# Altium PCB Main .PcbDoc (part 2 of 2)
Units mm, origin at the board's own origin, x right, y up, seen from the top; angles counter-clockwise.
Board outline 305 x 130 mm, 2 copper layers (Top Layer, Bottom Layer), stack 1.572 mm thick; 223 components, 123 nets, 632 pads, 180 vias.
Unrouted connection lines stored in the file: 1.
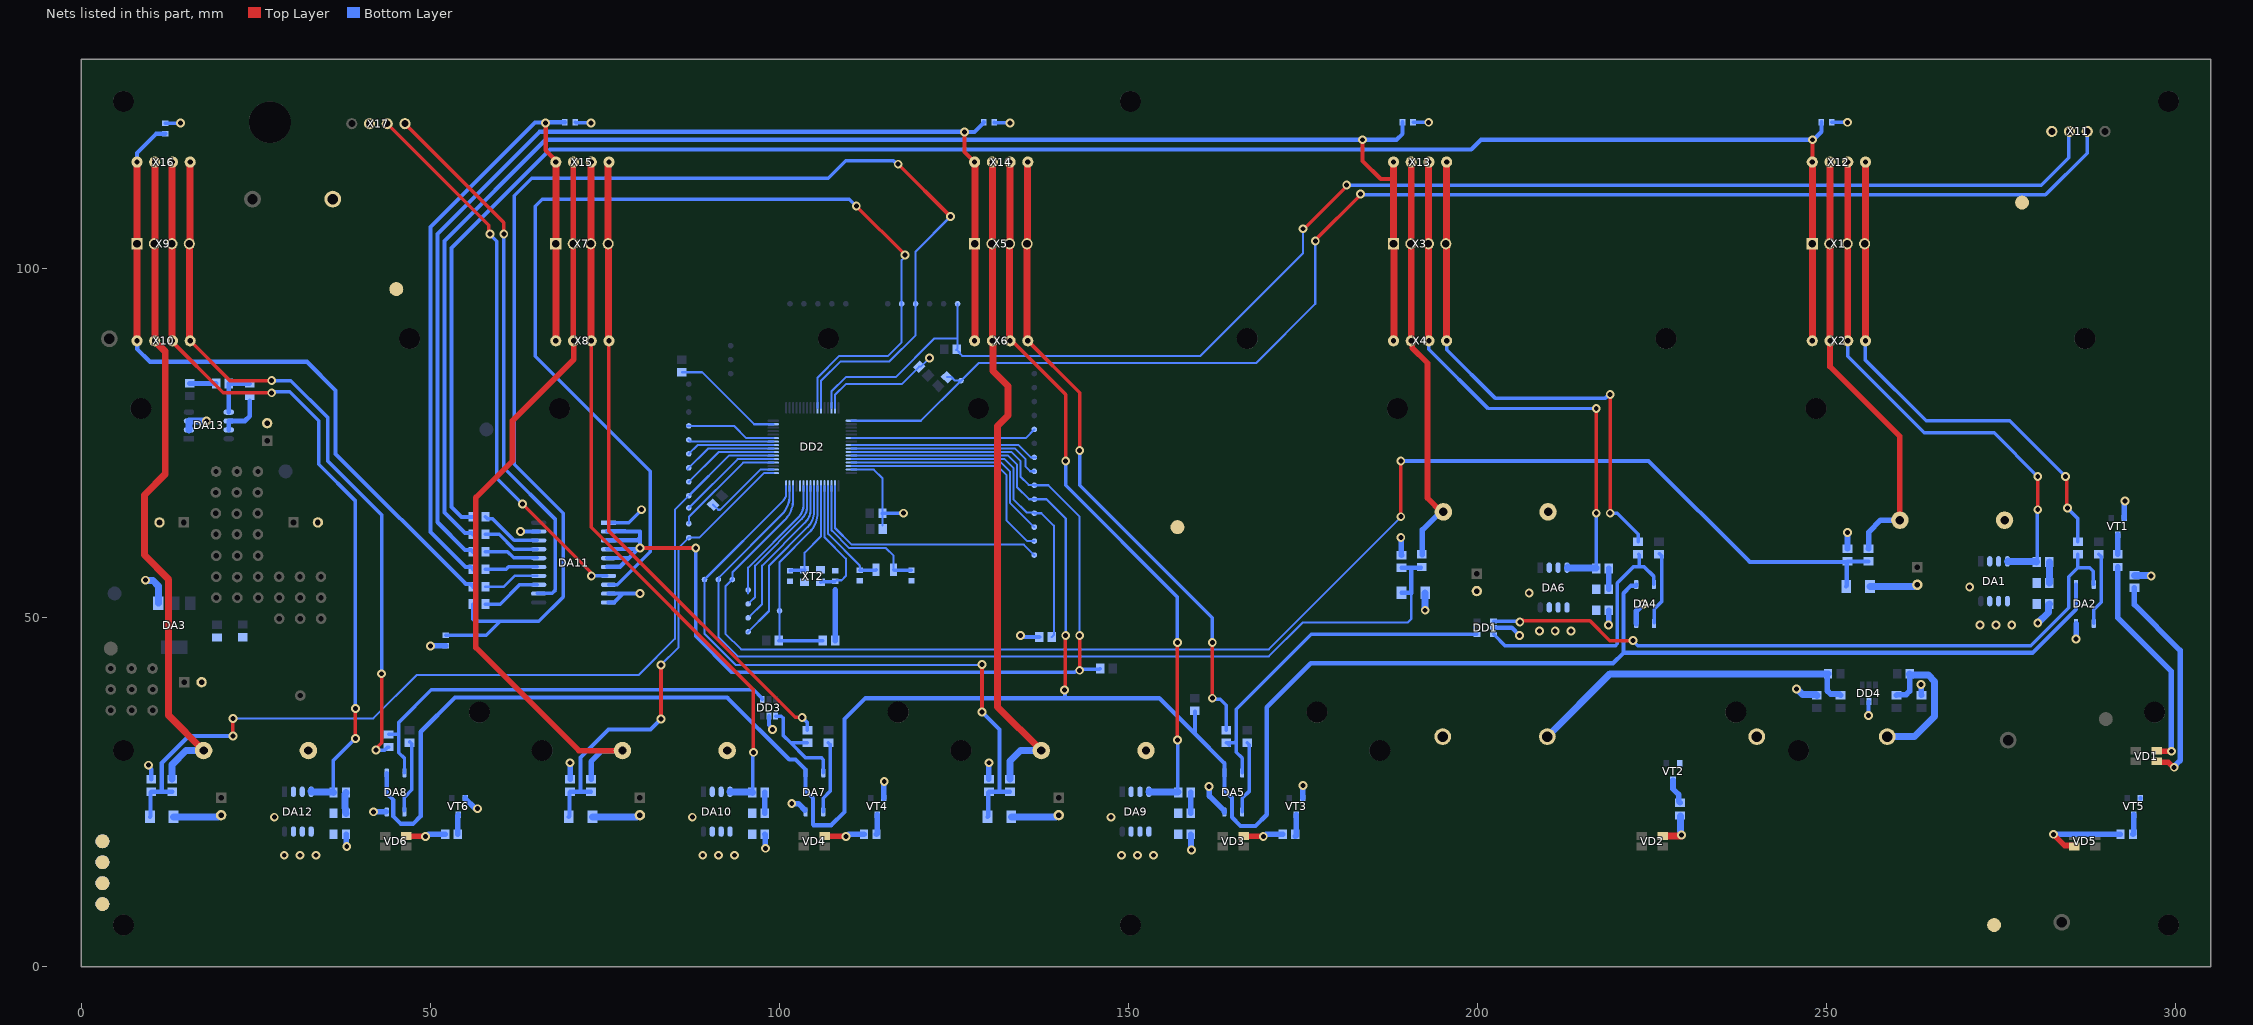
[diagram p2: the nets of this part, all layers, seen from the top]

## Via types
v1: diameter 1.27, hole 0.711, Top Layer to Bottom Layer, 180 vias

## Nets (pads, with @x,y where several pads share a name; then routed paths per layer and width w, separated by ;. In a path a pad name is that pad's centre, name@x,y a point inside that pad or via, vN(x,y) a via of type N, cw(c..) or ccw(c..) an arc to the next point about the centre after c; other vN are vias at no path point) (continued)
GND: C1.2 C2.1 C3.2 C4.2 C5.2 C6.1 C7.1 C8.2 C9.1 C10.1 C11.2 C12.1 C13.2 C14.2 C15.1 C16.1 C17.1 C18.2 C19.1 C20.1 C21.1 C22.1 C23.1 C24.1 C25.1 C26.1 C27.1 C28.2 DA1.2 DA1.3 DA1.6 DA1.7 DA2.2 DA3.1 DA4.2 DA5.2 DA6.2 DA6.3 DA6.6 DA6.7 DA7.2 DA8.2 DA9.2 DA9.3 DA9.6 DA9.7 DA10.2 DA10.3 DA10.6 DA10.7 DA11.1 DA11.9 DA11.10 DA11.19 DA12.2 DA12.3 DA12.6 DA12.7 DA13.2 DA13.3 DD1.2 DD2.12 DD2.18 DD2.31 DD2.47 DD2.63 DD3.2 DD4.2 MH4.1 MH5.1 MH7.1 R4.1 R7.2 R14.1 R17.2 R20.1 R24.1 R27.2 R29.1 R31.1 R35.2 R45.2 R47.1 R48.1 R49.1 R50.1 R51.1 R52.1 R58.2 TP3.1 TP15.1 TP16.1 TP31.1 TP37.1 TP43.1 TP52.1 TP53.1 TP54.1 TP56.1 TP57.1 TP58.1 VD7.1 VD8.1 VD9.1 VD10.1 VD11.1 VT1.2 VT2.2 VT3.2 VT4.2 VT5.2 VT6.2 X11.1 X17.3 XT2.3 XT2.4 | length 200.6
  Bottom Layer w0.3: C2.1@86,85.2 88.921,85.2 96.371,77.75 DD2.31@99.1,77.75 ; C12.1@90.477,66.227 91.204,65.5 91.5,65.5 97.25,71.25 DD2.18@99.1,71.25 ; DD2.47@107.95,80.1 107.95,81.95 109.5,83.5 117.5,83.5 C10.1@120,86 120.25,86 v1(121.5,87.25) ; DD2.63@110.3,71.25 113.5,71.25 114.75,70 C9.1@114.75,65 ; C15.1@114.75,63.25 C9.1@114.75,64.9
  Bottom Layer w0.5: R47.1@12,120.85 12.025,120.875 14.175,120.875 v1(14.2,120.9) ; R48.1@70.75,121 70.793,120.957 72.957,120.957 v1(73,120.915) ; DA11.1@75.5,63.64 78.39,63.64 v1(80.25,65.5) ; C9.1@114.75,65 114.75,64.9 114.85,65 v1(117.75,65) ; R49.1@130.75,121 130.793,120.957 132.958,120.957 v1(133,120.915) ; R50.1@190.75,121 v1(193,121) ; R51.1@250.75,121 v1(253,121)
  Bottom Layer w0.6: v1(9.6,28.9) 9.6,28.719 9.998,28.32 C26.1@9.998,26.898 ; v1(62.9,62.4) 62.93,62.37 DA11.19@65.5,62.37 ; DA11.10@75.5,52.21 76.3,52.21 77.57,53.48 ; DA11.9@75.5,53.48 77.57,53.48 ; v1(80,53.5) 77.59,53.5 77.57,53.48 ; DD3.2@98.475,35.925 98.475,34.661 99,34.136 v1(99,34) ; v1(134.5,47.5) 134.681,47.5 134.931,47.25 R58.2@137.2,47.25 ; DD1.2@202.3,48.6 204.9,48.6 v1(206,47.5) ; v1(256,36) 256.025,36.025 256.025,37.975 DD4.2@256.05,38 ; VT5.2@294.95,24.15 VT5.2@294.95,24.2
  Bottom Layer w0.8: R45.2@37.902,18.998 37.951,18.949 37.951,17.299 v1(38,17.25) ; v1(41.835,22.225) 41.847,22.213 DA8.2@43.63,22.213 ; v1(50,46) R52.1@52.2,46 ; VT6.2@54.95,24.2 54.95,24.15 56.345,22.755 56.66,22.755 v1(56.75,22.665) ; C25.1@69.999,26.899 v1@69.999,29.249 ; R35.2@97.902,18.998 97.951,18.949 97.951,17.049 v1(98,17) ; v1(101.75,23.415) 101.777,23.388 102.692,23.388 DA7.2@103.63,22.45 ; C16.1@108,46.75 108,54 ; VT4.2@114.95,24.2 114.95,26.535 v1(115,26.585) ; C24.1@129.999,26.899 v1@129.999,29.249 ; R27.2@158.902,18.998 158.951,18.949 158.951,16.799 v1(159,16.75) ; v1(161.5,25.835) 161.59,25.745 161.59,24.49 163.73,22.35 DA5.2@163.73,22.2 ; VT3.2@174.95,24.2 174.95,25.95 v1(175,26) ; v1(189,61.5) 189.05,61.45 189.05,59.05 C19.1@189.1,59 ; v1(218.75,49) 218.776,49.026 218.776,51.072 R17.2@218.802,51.098 ; DA4.2@222.73,49.2 222.73,50.98 v1(223.75,52) ; C17.1@252.998,59.898 v1(253,62.25) ; v1(263.5,40.465) 263.55,40.415 263.55,38.95 C27.1@263.6,38.9 ; v1@285.74,47.01 DA2.2@285.74,49.19 ; VT1.2@292.65,64.3 292.65,66.523 292.75,66.623 v1(292.75,66.75)
  Bottom Layer w1: v1(9.165,55.4) 9.217,55.348 10.252,55.348 11,54.6 DA3.1@11,52.1 ; VD11.1@13.2,21.5 19.615,21.5 19.865,21.75 C13.2@20,21.75 ; DA13.2@15.4,76.94 15.4,78.2 15.405,78.205 17.895,78.205 v1(17.9,78.2) ; VD10.1@73.2,21.5 79.615,21.5 79.865,21.75 C18.2@80,21.75 ; VD9.1@133.2,21.5 139.615,21.5 139.865,21.75 C11.2@140,21.75 ; v1(192.5,51.1) VD8.1@192.5,53.6 ; v1(245.7,39.8) 245.773,39.8 246.573,39 248.5,39 C28.2@248.6,38.9 ; VD7.1@256.2,54.5 262.615,54.5 262.865,54.75 C1.2@263,54.75 ; v1(280.25,49.25) 281.802,50.802 281.802,51.898 R7.2@281.902,51.998 ; v1@285.74,47.01 v1(285.75,47) ; R20.1@294.1,56.1 296.327,56.1 296.427,56 v1(296.5,56)
  Bottom Layer w1.5: R31.1@32.5,30.729 R31.1@32.5,31 ; R29.1@92.5,30.729 R29.1@92.5,31 ; R24.1@152.5,30.729 R24.1@152.5,31 ; R4.1@275.5,63.729 R4.1@275.5,64
  other v1: 29.05,16 31.325,16 33.6,16 89,16 91.275,16 93.55,16 149,16 151.275,16 153.55,16 27.625,21.45 87.5,21.45 147.5,21.45 70,29.25 130,29.25 208.85,48.1 211.125,48.1 213.4,48.1 271.975,49 274.25,49 276.525,49 207.4,53.55 270.5,54.45
I2C1_SCL: DA11.2 DA11.3 DA11.4 DA11.5 DA11.6 DD2.58 R56.1 TP6.1 | length 165.7
  Top Layer w0.5: v1(143,42.5) v1(143,47.5)
  Top Layer w0.6: v1(80,60) v1(88,60)
  Bottom Layer w0.3: DD2.58@110.3,73.75 133.25,73.75 134.5,72.5 134.5,70.25 135.699,69.051 TP6.1@136.449,69.051 ; TP6.1@136.5,69 138.5,69 143,64.5 v1(143,47.5)
  Bottom Layer w0.5: v1(88,60) 88,47.357 93.107,42.25 142.322,42.25 142.425,42.353 142.853,42.353 143.125,42.625 145.825,42.625 R56.1@145.95,42.75
  Bottom Layer w0.6: DA11.6@75.275,57.325 77.156,57.325 78.426,58.595 ; DA11.5@75.275,58.595 78.426,58.595 ; DA11.4@75.275,59.865 v1@79.472,59.865 ; DA11.3@75.275,61.135 79.649,61.135 80,61.486 ; DA11.2@75.275,62.405 77.88,62.405 77.885,62.4 80,62.4 80,61.486 ; v1@79.915,60.085 78.426,58.595 ; v1@80,60.169 80,61.486
I2C1_SDA: DA2.3 DA4.3 DA5.3 DA7.3 DA8.3 DD2.59 R57.1 TP4.1 | length 402.9
  Top Layer w0.5: v1(140.8,39.665) 140.9,39.765 140.9,47.4 v1(141,47.5)
  Bottom Layer w0.3: DD2.59@110.3,73.25 132.75,73.25 134,72 134,68.75 135.75,67 TP4.1@136.5,67 138.25,67 141,64.25 v1(141,47.5)
  Bottom Layer w0.6: DA8.3@43.73,27.8 43.73,24.845 44.675,23.9 44.675,21.575 45.75,20.5 47.5,20.5 48.6,21.6 48.6,33.7 53.5,38.6 92.5,38.6 101.4,29.7 102.3,29.7 103.73,28.27 103.73,25.22 104.775,24.175 104.775,20.4 104.875,20.3 107.4,20.3 109.3,22.2 109.3,35.5 112.3,38.5 140.9,38.5 ; v1@140.9,39.665 140.9,38.5 ; R57.1@159.5,36.607 159.5,33.4 ; DA4.3@222.73,54.8 222.73,54.67 222.68,54.62 221.987,54.62 220.9,53.533 220.9,45 ; DA2.3@285.73,54.8 285.73,51.23 279.5,45 220.9,45 ; 140.9,38.5 154.4,38.5 159.5,33.4 ; 159.5,33.4 163.73,29.17 DA5.3@163.73,27.8 163.73,25.295 164.8,24.225 164.8,21.45 166.05,20.2 168.2,20.2 169.8,21.8 169.8,37.2 176.1,43.5 219.4,43.5 220.9,45
NetC20_2: C20.2 DD2.3 XT1.1 | length 21.3
  Bottom Layer w0.3: DD2.3@107.45,68.9 107.45,62.674 ccw(c107.75,62.674) 107.537,62.463 110,60 115.25,60 116.35,58.9 XT1.1@116.35,56.9
  Bottom Layer w0.5: XT1.1@116.35,56.9 116.4,56.85 C20.2@118.9,56.85
NetC21_2: C21.2 DD2.4 XT1.2 | length 16.3
  Bottom Layer w0.3: DD2.4@106.95,68.9 106.95,62.174 ccw(c107.25,62.174) 107.038,61.962 111.413,57.587 cw(c111.2,57.376) 111.5,57.376 C21.2@111.5,56.85
  Bottom Layer w0.5: C21.2@111.5,56.85 113.8,56.85 XT1.2@113.85,56.9
NetC22_2: C22.2 DD2.5 XT2.1 | length 18.1
  Bottom Layer w0.3: DD2.5@106.45,68.9 106.45,61.55 109.5,58.5 109.5,56 108.9,55.4 108.15,55.4 C22.2@108,55.25 C22.2@107.925,55.175
  Bottom Layer w0.5: XT2.1@105.9,55.1 105.975,55.175 C22.2@107.925,55.175
NetC23_2: C23.2 DD2.6 XT2.2 | length 15.1
  Bottom Layer w0.3: XT2.2@103.6,56.9 103.6,59.35 105.95,61.7 DD2.6@105.95,68.9
  Bottom Layer w0.5: C23.2@101.5,56.75 101.575,56.825 103.525,56.825 XT2.2@103.6,56.9
NetDA1_4: DA1.4 R5.1 X1.3 X2.3 X12.3 | length 78.8
  Top Layer w0.5: v1(280.25,65.5) v1(280.25,70.25)
  Top Layer w1: X2.3@253.03,89.7 X12.3@253.03,115.3
  Bottom Layer w0.5: X2.3@253.03,89.7 253.03,87.47 264,76.5 274,76.5 v1(280.25,70.25) ; R5.1@280.102,57.998 280.176,58.072 280.176,65.426 v1(280.25,65.5)
  Bottom Layer w1: DA1.4@275.975,58.17 DA1.4@275.905,58.1 275.956,58.049 280.051,58.049 R5.1@280.102,57.998
NetDA1_5: DA1.5 R6.2 R7.1
NetDA2_1: DA2.1 R1.2 | length 10.5
  Bottom Layer w0.5: DA2.1@288.27,49.225 288.27,51.17 289.325,52.225 289.325,58.796 R1.2@288.998,59.123
NetDA2_4: DA2.4 DD1.1 R2.1 | length 98.9
  Top Layer w0.5: v1(206.047,49.415) 206.256,49.415 206.493,49.653 206.525,49.653 206.578,49.6 216.1,49.6 218.95,46.75 v1(222.25,46.75)
  Bottom Layer w0.5: DD1.1@202.3,49.55 205.912,49.55 v1(206.047,49.415) ; v1(222.25,46.75) 222.25,46.678 222.928,46 279.25,46 284.7,51.45 284.7,55.898 286.002,57.2 ; R2.1@286.002,59.102 286.002,57.2 ; DA2.4@288.27,54.8 288.22,54.85 288.22,56.68 287.7,57.2 286.002,57.2
NetDA4_1: DA4.1 R9.2 | length 10.5
  Bottom Layer w0.5: DA4.1@225.295,49.325 225.295,51.27 226.35,52.325 226.35,58.896 R9.2@226.023,59.223
NetDA4_4: DA4.4 DD1.3 R10.1 | length 37
  Bottom Layer w0.5: DD1.3@202.3,47.65 203.965,45.985 219.707,45.985 220,46.278 220,55 222.3,57.3 223.155,57.3 ; R10.1@223.08,59.102 223.155,59.027 223.155,57.3 ; DA4.4@225.27,54.8 225.27,55.93 223.9,57.3 223.155,57.3
NetDA5_1: DA5.1 R11.2 | length 10.5
  Bottom Layer w0.5: DA5.1@166.27,22.2 166.27,24.145 167.325,25.2 167.325,31.771 R11.2@166.998,32.098
NetDA5_4: DA5.4 DD1.4 R12.1 | length 50.4
  Bottom Layer w0.5: R12.1@164.002,32.102 R12.1@164.102,32.102 ; R12.1@164.452,31.752 R12.1@164.102,32.102 ; DA5.4@166.27,27.8 166.275,27.805 166.275,29.929 165.425,30.779 165.425,32.395 ; DD1.4@199.9,47.65 176.15,47.65 165.425,36.925 165.425,32.395 ; R12.1@164.102,32.102 165.132,32.102 165.425,32.395
NetDA6_4: DA6.4 R15.1 X3.3 X4.3 X13.3 | length 82.4
  Top Layer w0.5: v1(217,65) v1(217,80)
  Top Layer w1: X4.3@193,89.892 193,103.6 193,115.27 X13.3@193.03,115.3 ; X4.3@193.03,89.7 X4.3@193.145,89.585
  Bottom Layer w0.5: X4.3@193,89.7 193,90.681 ; X4.3@193.03,89.7 193.03,88.47 201.5,80 v1(217,80) ; v1(217,65) 217.001,64.999 217.001,57.149 217.001,57.099 R15.1@217.002,57.098
  Bottom Layer w1: DA6.4@212.925,57.27 212.855,57.2 212.906,57.149 R15.1@217.001,57.149
NetDA6_5: DA6.5 R16.2 R17.1
NetDA7_1: DA7.1 R18.2 | length 10.5
  Bottom Layer w0.5: DA7.1@106.245,22.225 106.245,24.17 107.3,25.225 107.3,31.796 R18.2@106.973,32.123
NetDA7_4: DA7.4 DD3.1 R19.1 | length 15.1
  Bottom Layer w0.5: DD3.1@99.425,35.925 100.269,35.925 100.562,35.632 100.562,33.138 101.598,32.102 ; R19.1@104.002,32.102 101.598,32.102 ; DA7.4@106.27,27.85 106.275,27.855 106.275,29.707 105.982,30 103.7,30 101.598,32.102
NetDA8_1: DA8.1 R21.2 | length 10.5
  Bottom Layer w0.5: DA8.1@46.27,22.375 46.27,24.32 47.325,25.375 47.325,31.946 R21.2@46.998,32.273
NetDA8_4: DA8.4 DD3.4 R22.1 | length 63.7
  Bottom Layer w0.5: R22.1@44,33.3 45.427,33.3 45.477,33.25 ; 45.477,35.052 45.477,33.25 ; 45.512,35.087 50.125,39.7 96.3,39.7 97.425,38.575 97.425,38.425 DD3.4@97.525,38.325 ; DA8.4@46.27,27.8 46.275,27.805 46.275,29.882 45.477,30.68 45.477,33.25
NetDA9_4: DA9.4 R25.1 X5.3 X6.3 X14.3 | length 104.6
  Top Layer w0.5: X6.3@133.03,89.7 133.3,89.7 141,82 v1(141,72.5) ; v1(157,32.5) v1(157,46.5)
  Top Layer w1: X6.3@132.95,89.78 X5.3@132.95,103.6 ; X5.3@133,103.6 133,115.27 X14.3@133.03,115.3
  Bottom Layer w0.5: v1(141,72.5) 141,69 157,53 v1(157,46.5) ; v1(157,32.5) 157.051,32.449 157.051,25.074 157.051,25.049 R25.1@157.102,24.998
  Bottom Layer w1: DA9.4@152.975,25.195 152.905,25.125 152.956,25.074 R25.1@157.051,25.074
NetDA9_5: DA9.5 R26.2 R27.1
NetDA10_4: DA10.4 R33.1 X7.3 X8.3 X15.3 | length 103.4
  Top Layer w0.5: X8.3@73.03,89.7 73.03,62.97 96.25,39.75 v1(96.25,30.75)
  Top Layer w1: X8.3@73.03,89.7 73,89.73 73,103.6 73,115.27 X15.3@73.03,115.3
  Bottom Layer w0.5: R33.1@96.102,24.998 96.176,25.072 96.176,30.676 v1(96.25,30.75)
  Bottom Layer w1: DA10.4@92.95,25.17 92.88,25.1 92.931,25.049 96.051,25.049 R33.1@96.102,24.998
NetDA10_5: DA10.5 R34.2 R35.1
NetDA11_13: DA11.13 R42.1 | length 8.6
  Bottom Layer w0.5: R42.1@57.873,51.977 59.977,51.977 62.785,54.785 DA11.13@65.275,54.785
NetDA11_14: DA11.14 R40.1 | length 8.1
  Bottom Layer w0.4: R40.1@57.873,54.477 60.502,54.477 62.08,56.055 DA11.14@65.275,56.055
NetDA11_15: DA11.15 R39.1 | length 7.5
  Bottom Layer w0.5: R39.1@57.873,56.977 60.827,56.977 61.175,57.325 DA11.15@65.275,57.325
NetDA11_16: DA11.16 R38.1 | length 7.8
  Bottom Layer w0.5: R38.1@57.873,59.477 61.023,59.477 61.905,58.595 DA11.16@65.275,58.595
NetDA11_17: DA11.17 R36.1 | length 8.3
  Bottom Layer w0.5: R36.1@57.873,61.977 59.823,61.977 61.935,59.865 DA11.17@65.275,59.865
NetDA11_18: DA11.18 R32.1 | length 8.8
  Bottom Layer w0.5: R32.1@57.873,64.477 58.178,64.172 58.928,64.172 61.965,61.135 DA11.18@65.275,61.135
NetDA12_4: DA12.4 R43.1 X9.3 X10.3 X16.3 | length 111.9
  Top Layer w0.5: X10.3@12.893,89.674 20.318,82.25 v1(27.25,82.25) ; v1(39.25,32.75) v1(39.25,37)
  Top Layer w1: X10.3@13,89.7 13,103.6 X16.3@13,115.3 ; X10.3@13.03,89.538 X10.3@13.03,89.7
  Bottom Layer w0.5: v1(27.25,82.25) 27.397,82.397 29.853,82.397 34,78.25 34,72 39.25,66.75 v1(39.25,37) ; R43.1@36.102,24.998 36.102,29.602 v1(39.25,32.75)
  Bottom Layer w1: DA12.4@32.905,25.1 32.956,25.049 36.051,25.049 R43.1@36.102,24.998 ; DA12.4@32.956,25.124 32.905,25.175 DA12.4@32.975,25.245
NetDA12_5: DA12.5 R44.2 R45.1
NetDA13_5: DA13.5 R8.2 R13.1 | length 7.1
  Bottom Layer w0.7: DA13.5@21.1,79.48 R8.2@21.1,83.6 R13.1@24.1,83.6
NetDA13_6: DA13.6 DA13.7 R13.2 | length 6.8
  Bottom Layer w0.7: DA13.7@21.1,76.94 DA13.6@21.1,78.21 23.41,78.21 24.1,78.9 24.1,81.1
NetDD2_2: DD2.2 TP66.1 | length 36.2
  Bottom Layer w0.3: DD2.2@107.95,68.9 107.95,62.881 110.331,60.5 135,60.5 TP66.1@136.5,59
NetDD2_20: DD2.20 TP47.1 | length 16.3
  Bottom Layer w0.3: TP47.1@87,63.5 87.051,63.551 87.051,64.521 94.78,72.25 DD2.20@99.1,72.25
NetDD2_25: DD2.25 TP59.1 | length 12.6
  Bottom Layer w0.3: TP59.1@87,73.5 88.25,74.75 DD2.25@99.1,74.75
NetDD2_26: DD2.26 TP60.1 | length 12.2
  Bottom Layer w0.3: TP60.1@87,75.5 87.25,75.25 DD2.26@99.1,75.25
NetDD2_27: DD2.27 TP61.1 | length 13.1
  Bottom Layer w0.3: TP61.1@86.727,77.5 93.5,77.5 95.25,75.75 DD2.27@99.1,75.75
NetDD2_54: DD2.54 TP10.1 | length 26.7
  Bottom Layer w0.3: DD2.54@110.3,75.75 135.25,75.75 TP10.1@136.5,77
NetDD2_56: DD2.56 TP8.1 | length 27.2
  Bottom Layer w0.3: DD2.56@110.3,74.75 134.25,74.75 136,73 TP8.1@136.755,73
NetDD2_57: DD2.57 TP7.1 | length 28.2
  Bottom Layer w0.3: DD2.57@110.3,74.25 133.75,74.25 135.25,72.75 135.25,71.676 135.912,71.014 136.486,71.014 TP7.1@136.5,71
NetDD2_60: DD2.60 R58.1 TP5.1 | length 51.5
  Bottom Layer w0.3: DD2.60@110.3,72.75 132.25,72.75 133.5,71.5 133.5,67 135.404,65.096 TP5.1@136.404,65.096 ; TP5.1@136.5,65 137.5,65 139.3,63.2 139.3,47.55 R58.1@139,47.25
NetDD2_61: DD2.61 TP65.1 | length 32.7
  Bottom Layer w0.3: DD2.61@110.3,72.25 131.75,72.25 133,71 133,66.5 TP65.1@136.5,63
NetDD2_62: DD2.62 TP64.1 | length 34.5
  Bottom Layer w0.3: DD2.62@110.3,71.75 131.25,71.75 132.5,70.5 132.5,64 135.5,61 TP64.1@136.5,61
NetMH3_1: MH3.1 R64.2 R65.2 | length 21.6
  Bottom Layer w0.8: R65.2@260.002,38.902 260.1,39 261.4,39 261.902,39.502 R64.2@261.902,41.9
  Bottom Layer w1: MH3.1@258.7,33 262.6,33 265.486,35.886 265.486,40.914 264.6,41.8 262.002,41.8 261.902,41.9 R64.2@261.902,41.998
NetMH6_1: MH6.1 R66.2 R67.2 | length 48.6
  Bottom Layer w0.8: R67.2@250.196,42 250.1,41.904 250.1,39.571 250.569,39.102 251.802,39.102 R66.2@252.002,38.902
  Bottom Layer w1: MH6.1@210,33 219,42 250.098,42 250.1,42.002 R67.2@250.198,42.002
NetR3_2: R3.2 R8.1 | length 3.8
  Bottom Layer w0.7: R3.2@15.5,83.6 R8.1@19.3,83.6
NetR4_2: R4.2 R59.2 X1.2 X2.2 X12.2 | length 63.1
  Top Layer w0.8: X2.2@250.49,89.7 250.49,86.01 260.5,76 R4.2@260.5,64
  Top Layer w1: X2.2@250.49,89.7 250.47,89.72 250.47,103.58 X1.2@250.45,103.6 250.47,103.62 250.47,115.28 X12.2@250.49,115.3
  Bottom Layer w0.8: R59.2@256.002,59.902 256.05,59.95 256.05,62.3 257.75,64 R4.2@260.5,64
NetR5_2: R5.2 R6.1 | length 3
  Bottom Layer w1: R6.1@281.898,55.002 281.9,55.004 281.9,57.996 R5.2@281.902,57.998
NetR14_2: R14.2 R60.2 X3.2 X4.2 X13.2 | length 59.7
  Top Layer w0.8: X4.2@190.49,89.7 190.643,89.547 190.643,88.681 192.824,86.5 192.824,67.176 194.8,65.2 R14.2@195.1,65.2
  Top Layer w1: X13.2@190.49,115.3 190.5,115.29 190.5,103.6 X4.2@190.5,89.852
  Bottom Layer w0.8: R60.2@192.1,59.069 192.1,62.612 194.688,65.2 R14.2@195.1,65.2
NetR15_2: R15.2 R16.1 | length 3
  Bottom Layer w0.8: R16.1@218.798,54.102 218.8,54.104 218.8,57.096 R15.2@218.802,57.098
NetR20_2: R20.2 VD1.1 | length 31.6
  Top Layer w0.8: VD1.1@297.3,29.45 297.45,29.3 298.973,29.3 299.673,28.6 v1(299.8,28.6)
  Bottom Layer w0.8: R20.2@294.1,54.3 294.1,51.9 300.65,45.35 300.65,29.577 299.8,28.727 v1(299.8,28.6)
NetR23_1: R23.1 VT1.3 | length 2.8
  Bottom Layer w0.8: R23.1@291.7,59.1 VT1.3@291.7,61.9
NetR23_2: R23.2 VD1.4 | length 31.7
  Top Layer w0.8: VD1.4@297.3,30.95 297.325,30.925 299.375,30.925 v1(299.4,30.9)
  Bottom Layer w0.8: R23.2@291.7,57.3 291.7,50.05 299.4,42.35 v1(299.4,30.9)
NetR24_2: R24.2 R61.2 X5.2 X6.2 X14.2 | length 96.3
  Top Layer w1: X14.2@130.5,115.415 130.5,103.6 130.5,89.977 130.605,89.872 130.605,85.395 132.75,83.25 132.75,79 131.25,77.5 131.25,37.25 R24.2@137.5,31
  Bottom Layer w1: R61.2@133.002,26.902 133.002,29.502 134.5,31 R24.2@137.5,31
NetR25_2: R25.2 R26.1 | length 3
  Bottom Layer w0.8: R26.1@158.898,22.002 158.9,22.004 158.9,24.996 R25.2@158.902,24.998
NetR28_1: R28.1 VT2.3 | length 3.7
  Bottom Layer w0.8: VT2.3@228,26.75 228,25.5 228.801,24.699 228.801,23.699 R28.1@229,23.5
NetR28_2: R28.2 VD2.4 | length 5.7
  Top Layer w0.6: VD2.4@226.5,18.75 VD2.4@226.525,18.775 ; v1@229.275,18.775 v1@229.3,18.8
  Top Layer w1: VD2.4@226.525,18.775 v1@229.275,18.775
  Bottom Layer w0.6: R28.2@229,21.7 R28.2@229.101,21.599 ; v1@229.101,19.003 v1(229.202,18.902)
  Bottom Layer w1: v1@229.101,19.003 R28.2@229.101,21.599
NetR29_2: R29.2 R62.2 X7.2 X8.2 X15.2 | length 110.2
  Top Layer w0.8: X15.2@70.49,115.3 70.47,115.28 70.47,103.62 X7.2@70.45,103.6 70.47,103.58 70.47,89.72 X8.2@70.49,89.7 70.517,89.673 70.517,87.017 61.75,78.25 61.75,72.5 56.5,67.25 56.5,45.75 71.25,31 R29.2@77.5,31
  Bottom Layer w0.8: R62.2@73.002,26.902 73,26.904 73,29.427 74.573,31 R29.2@77.5,31
NetR30_1: R30.1 VT3.3 | length 3.1
  Bottom Layer w0.8: R30.1@173.898,18.7 174,18.802 VT3.3@174,21.8
NetR30_2: R30.2 VD3.4 | length 5.7
  Top Layer w0.8: VD3.4@166.5,18.75 166.525,18.725 169.275,18.725 v1(169.3,18.7)
  Bottom Layer w0.8: v1(169.3,18.7) 169.427,18.7 169.729,19.002 R30.2@172.098,19.002
NetR31_2: R31.2 R63.2 X9.2 X10.2 X16.2 | length 97.1
  Top Layer w1: X10.2@10.49,89.7 12,88.19 12,70.607 9,67.607 9,59 12.5,55.5 12.5,36 R31.2@17.5,31 ; X10.2@10.5,89.7 10.5,103.6 X16.2@10.5,115.3
  Bottom Layer w1: R63.2@13.002,26.902 13.002,29.002 15,31 R31.2@17.5,31
NetR33_2: R33.2 R34.1 | length 3
  Bottom Layer w0.8: R34.1@97.898,22.002 97.9,22.004 97.9,24.996 R33.2@97.902,24.998
NetR37_1: R37.1 VT4.3 | length 2.8
  Bottom Layer w0.8: R37.1@113.898,19.002 114,19.104 VT4.3@114,21.8
NetR37_2: R37.2 VD4.4 | length 5.7
  Top Layer w0.8: VD4.4@106.5,18.75 106.525,18.725 109.475,18.725 v1(109.5,18.7)
  Bottom Layer w0.8: v1(109.5,18.7) 109.627,18.7 109.929,19.002 R37.2@112.098,19.002
NetR41_1: R41.1 VT5.3 | length 2.8
  Bottom Layer w0.8: R41.1@293.898,19.002 294,19.104 VT5.3@294,21.8
NetR41_2: R41.2 VD5.4 | length 13.5
  Top Layer w0.8: v1(282.5,19) 284.1,17.4 285.55,17.4 VD5.4@285.699,17.251
  Bottom Layer w0.8: v1@282.501,19.001 R41.2@292.098,19.002
NetR43_2: R43.2 R44.1 | length 3.1
  Bottom Layer w1: R44.1@37.898,22.002 37.798,22.102 37.798,22.695 37.75,22.743 37.75,24.746 37.902,24.898 R43.2@37.902,24.998
NetR46_1: R46.1 VT6.3 | length 2.8
  Bottom Layer w0.8: R46.1@53.898,19.002 53.898,21.648 54,21.75 VT6.3@54,21.8
NetR46_2: R46.2 VD6.4 | length 5.7
  Top Layer w0.8: VD6.4@46.5,18.75 46.525,18.725 49.275,18.725 v1(49.3,18.7)
  Bottom Layer w0.8: v1(49.3,18.7) 49.427,18.7 49.729,19.002 R46.2@52.098,19.002
NRST: C16.2 DD2.7 R54.1 TP22.1 | length 30.6
  Bottom Layer w0.3: R54.1@99.9,46.75 100,46.85 100,50 100,57.877 cw(c100.3,57.876) 100.087,58.087 104.353,62.353 ccw(c101.703,65.002) 105.45,65.002 DD2.7@105.45,68.9
  Bottom Layer w0.5: R54.1@99.9,46.75 C16.2@106.2,46.75
SCL_OUT1: R32.2 R51.2 X1.1 X2.1 X12.1 | length 274.1
  Top Layer w0.6: X12.1@247.95,115.3 247.975,115.325 247.975,118.475 v1(248,118.5)
  Top Layer w1: X2.1@247.95,89.7 X1.1@247.95,103.6 X12.1@247.95,115.3
  Bottom Layer w0.6: R32.2@56.073,64.477 54.423,64.477 53,65.9 53,103 67.1,117.1 199.1,117.1 200.5,118.5 v1(248,118.5) 248.1,118.5 249.25,119.65 R51.2@249.25,121
SCL_OUT2: R36.2 R50.2 X3.1 X4.1 X13.1 | length 223.7
  Top Layer w0.6: v1(183.5,118.5) 183.535,118.465 183.535,115.465 186.131,112.869 187.95,112.869
  Top Layer w1: X3.1@187.95,103.6 187.95,112.869 X13.1@187.95,115.3 ; X4.1@188,89.7 X3.1@188,103.6
  Bottom Layer w0.6: R36.2@56.073,61.977 55.874,62.175 54.925,62.175 52,65.1 52,104 66.5,118.5 v1(183.5,118.5) 188.4,118.5 189.25,119.35 R50.2@189.25,121
SCL_OUT3: R38.2 R49.2 X5.1 X6.1 X14.1 | length 163.5
  Top Layer w0.6: v1(126.5,119.635) 126.5,116.75 X14.1@128,115.25
  Top Layer w1: X6.1@128,89.681 128,103.6 X14.1@128,115.25
  Bottom Layer w0.6: R38.2@56.073,59.477 55.812,59.738 54.962,59.738 51,63.7 51,105 65.635,119.635 v1(126.5,119.635) ; v1@126.628,119.628 127.928,119.628 129.15,120.85 129.15,120.9 R49.2@129.25,121
SCL_OUT4: R39.2 R48.2 X7.1 X8.1 X15.1 | length 109.2
  Top Layer w0.6: v1(66.5,120.915) 66.5,117 X15.1@68.075,115.425
  Top Layer w1: X15.1@67.95,115.3 68,115.25 X8.1@68,89.7
  Bottom Layer w0.6: R39.2@56.073,56.977 56.073,56.988 55.773,57.288 55.012,57.288 50,62.3 50,106 64.973,120.973 66.442,120.973 v1(66.5,120.915) ; v1@66.518,121 R48.2@69.25,121
SCL_OUT5: R40.2 R47.2 X9.1 X10.1 X16.1 | length 100.9
  Top Layer w1: X10.1@7.95,89.7 X9.1@7.95,103.6 X16.1@7.95,115.3
  Bottom Layer w0.6: X10.1@7.95,89.7 7.977,89.673 7.977,88.523 9.8,86.7 32.3,86.7 36.4,82.6 36.4,73.5 55.062,54.838 55.773,54.838 56.073,54.538 R40.2@56.073,54.477 ; X16.1@7.95,115.3 7.95,116.617 10.683,119.35 R47.2@12,119.35
SDA_OUT1: R2.2 X1.4 X2.4 X12.4 | length 74
  Top Layer w0.5: v1(284.25,70.25) 284.375,70.125 284.375,65.875 v1(284.5,65.75)
  Top Layer w1: X2.4@255.57,89.7 X12.4@255.57,115.3
  Bottom Layer w0.5: X2.4@255.57,89.7 255.57,86.93 264.25,78.25 276.25,78.25 v1(284.25,70.25) ; v1(284.5,65.75) 286.002,64.248 R2.2@286.002,60.902
SDA_OUT2: R10.2 X3.4 X4.4 X13.4 | length 76.7
  Top Layer w0.5: v1(219,65) v1(219,82)
  Top Layer w1: X4.4@195.57,89.7 195.57,103.056 195.565,103.061 195.565,103.595 195.57,103.6 195.565,103.605 195.565,104.139 195.57,104.144 X13.4@195.57,115.3
  Bottom Layer w0.5: X4.4@195.57,89.7 195.57,88.43 202.5,81.5 218.322,81.5 218.822,82 v1(219,82) ; v1(219,65) 220,65 223.002,61.998 R10.2@223.002,60.902
SDA_OUT3: R12.2 X5.4 X6.4 X14.4 | length 93.8
  Top Layer w0.5: X6.4@135.45,89.82 143,82.27 v1(143,74) ; v1(162,38.5) v1(162,46.5)
  Top Layer w1: X6.4@135.45,89.82 135.455,89.825 135.455,90.239 135.45,90.244 X5.4@135.45,103.6 ; X5.4@135.5,103.6 135.5,115.23 X14.4@135.57,115.3
  Bottom Layer w0.5: v1(143,74) 143,69 162,50 v1(162,46.5) ; v1(162,38.5) 162.147,38.353 163.147,38.353 164.002,37.498 R12.2@164.002,33.902
SDA_OUT4: R19.2 X7.4 X8.4 X15.4 | length 93.7
  Top Layer w0.5: X8.4@75.57,89.7 75.57,62.43 102.25,35.75 v1(103.25,35.75)
  Top Layer w1: X7.4@75.45,103.6 75.45,115.018 75.57,115.138 X15.4@75.57,115.3 ; X8.4@75.5,89.77 X7.4@75.5,103.6
  Bottom Layer w0.5: v1(103.25,35.75) 104.002,34.998 R19.2@104.002,33.902
SDA_OUT5: R22.2 X9.4 X10.4 X16.4 | length 103.1
  Top Layer w0.5: X10.4@15.57,89.7 21.27,84 v1(27.25,84) ; v1(42.171,31.071) 42.171,31.279 43,32.108 v1(43,42)
  Top Layer w1: X9.4@15.45,103.6 15.455,103.595 15.455,90.239 15.455,89.815 X10.4@15.57,89.7 ; X9.4@15.565,103.605 15.565,104.139 15.57,104.144 X16.4@15.57,115.3
  Bottom Layer w0.5: v1(27.25,84) 30,84 35.25,78.75 35.25,72.5 43,64.75 v1(43,42) ; v1(42.171,31.071) 43.471,31.071 43.9,31.5 R22.2@44,31.5
Stend_RX: DA11.7 X17.2 | length 79.1
  Top Layer w0.5: X17.2@43.8,120.8 58.353,106.247 58.353,105.147 v1(58.5,105) ; v1(63.2,66.3) 72.888,56.612 72.888,56.157 v1(73.035,56.01)
  Bottom Layer w0.5: v1(58.5,105) 58.5,104.966 59.5,103.966 59.5,70 v1(63.2,66.3) ; v1(73.035,56.01) 73.04,56.015 75.225,56.015 DA11.7@75.23,56.01
Stend_TX: DA11.12 X17.1 | length 78.6
  Top Layer w0.5: X17.1@46.34,120.8 60.5,106.64 v1(60.5,105)
  Bottom Layer w0.5: v1(60.5,105) 60.5,71.5 67.9,64.1 67.9,54 67.415,53.515 DA11.12@65.275,53.515
SWCLK: DD2.49 R53.1 TP17.1 X11.3 | length 203.8
  Top Layer w0.5: v1(176.75,104) 176.75,104.146 183.25,110.646 v1(183.25,110.75)
  Bottom Layer w0.3: DD2.49@110.3,78.25 120.25,78.25 TP17.1@126,84 ; R53.1@124,84.5 124.636,84.5 125.136,84 TP17.1@126,84 ; v1(176.75,104) 176.75,95 168.25,86.5 128.5,86.5 TP17.1@126,84
  Bottom Layer w0.5: v1(183.25,110.75) 183.396,110.604 281.354,110.604 287.34,116.59 X11.3@287.34,119.7
SWDIO: DD2.46 R55.1 TP18.1 X11.2 | length 207.6
  Top Layer w0.5: v1(175,105.75) 175.146,105.75 181.25,111.854 v1(181.25,112)
  Bottom Layer w0.3: DD2.46@107.45,80.1 107.45,82.45 109.5,84.5 116.625,84.5 122.125,90 125.5,90 ; R55.1@125.3,88.4 125.4,88.4 125.848,87.952 125.848,87.852 126.15,87.55 160.3,87.55 175,102.25 v1(175,105.75) ; R55.1@125.398,88.502 125.5,88.604 125.5,90 ; TP18.1@125.5,95 125.5,90
  Bottom Layer w0.5: v1(181.25,112) 280.75,112 284.666,115.916 284.666,119.566 X11.2@284.8,119.7
TTa_PA0: C17.2 DD2.14 R59.1 TP35.1 VD7.2 | length 215.2
  Top Layer w0.5: v1(189,64.5) v1(189,72.5)
  Bottom Layer w0.3: DD2.14@101.95,68.9 101.95,66.94 cw(c97.749,66.94) 100.719,63.969 98.625,61.875 93.25,56.5 TP35.1@93.25,55.5 92.25,54.5 92.25,47.75 94.5,45.5 170.1,45.5 189,64.4 v1(189,64.5)
  Bottom Layer w0.6: v1(189,72.5) 224.5,72.5 239,58 C17.2@252.9,58 ; VD7.2@252.8,54.5 252.899,54.599 252.899,57.999 C17.2@252.9,58 ; R59.1@256.002,58.102 256,58.1 253,58.1 C17.2@252.998,58.098 C17.2@252.9,58
TTa_PA1: C19.2 DD2.15 R60.1 TP38.1 VD8.2 | length 140
  Bottom Layer w0.3: 101.45,67.501 cw(c97.712,67.498) 100.353,64.853 91.346,55.846 91.346,55.596 TP38.1@91.25,55.5 91.25,47.25 94,44.5 170.1,44.5 174.95,49.35 190,49.35 190.5,49.85 190.5,53.525 190.425,53.6 ; 101.45,67.502 DD2.15@101.45,68.9 ; R60.1@191.9,57.2 R60.1@192,57.3
  Bottom Layer w0.6: VD8.2@189.1,53.6 190.425,53.6 ; C19.2@189.1,57.2 190.5,57.2 ; 190.5,53.525 190.5,57.2 ; R60.1@191.9,57.2 190.5,57.2
TTa_PA2: C24.2 DD2.16 R61.1 TP40.1 VD9.2 | length 93.5
  Top Layer w0.6: v1(129,36.5) v1(129,43.335)
  Bottom Layer w0.3: DD2.16@100.95,68.9 100.95,67.709 cw(c99.276,67.91) 100.471,66.721 TP40.1@89.25,55.5 89.25,47.75 93.75,43.25 128.915,43.25 v1(129,43.335)
  Bottom Layer w0.6: v1(129,36.5) 131.5,34 131.5,25.1 ; VD9.2@129.8,21.5 129.899,21.599 129.899,24.999 C24.2@129.998,25.098 131.5,25.098 131.5,25.1 ; R61.1@133.002,25.102 133,25.1 131.5,25.1
TTa_PA3: C25.2 DD2.17 R62.1 TP42.1 VD10.2 | length 69
  Top Layer w0.6: v1(83,35.5) v1(83,43.25)
  Bottom Layer w0.3: v1(83,43.25) 85.5,45.75 85.5,60 TP42.1@87,61.5 88.5,61.5 97.75,70.75 DD2.17@99.1,70.75
  Bottom Layer w0.6: VD10.2@69.8,21.5 69.899,21.599 69.899,24.999 C25.2@69.998,25.098 70,25.1 71.5,25.1 ; R62.1@73.002,25.102 73,25.1 71.5,25.1 ; v1(83,35.5) 81.5,34 75.5,34 71.5,30 71.5,25.1
TTa_PA5: DD2.21 TP62.1 | length 15
  Bottom Layer w0.3: TP62.1@87,65.75 94,72.75 DD2.21@99.1,72.75
TTa_PA6: C26.2 DD2.22 R63.1 TP49.1 VD11.2 | length 128.6
  Top Layer w0.5: v1(21.7,33.065) v1(21.7,35.6)
  Bottom Layer w0.3: v1(21.7,35.6) 41.8,35.6 48,41.8 79.8,41.8 85,47 85,65.5 TP49.1@86.834,67.334 ; TP49.1@87.107,67.607 92.75,73.25 DD2.22@99.1,73.25
  Bottom Layer w0.6: VD11.2@9.8,21.5 9.899,21.599 9.899,24.999 C26.2@9.998,25.098 10,25.1 11.5,25.1 ; R63.1@13.002,25.102 13,25.1 11.5,25.1 ; v1(21.7,33.065) 15.363,33.065 11.5,29.202 11.5,25.1
TTa_PA7: DD2.23 TP63.1 | length 13.9
  Bottom Layer w0.3: TP63.1@87,69.5 91.25,73.75 DD2.23@99.1,73.75
TTa_PC0: DD2.8 TP24.1 | length 24.8
  Bottom Layer w0.3: TP24.1@95.432,47.932 98.5,51 98.5,57.377 cw(c98.8,57.376) 98.587,57.587 104.06,63.06 ; 104.06,63.06 ccw(c101.91,65.209) 104.95,65.209 DD2.8@104.95,68.9
TTa_PC1: DD2.9 TP26.1 | length 22.1
  Bottom Layer w0.3: 95.814,50.314 97.5,52 97.5,57.5 103.706,63.706 ccw(c101.91,65.502) 104.45,65.502 DD2.9@104.45,68.9
TTa_PC2: DD2.10 TP28.1 | length 19.9
  Bottom Layer w0.3: TP28.1@95.749,52.249 96.5,53 96.5,57.5 103.206,64.206 ccw(c101.41,66.002) 103.95,66.002 DD2.10@103.95,68.9
TTa_PC3: DD2.11 TP30.1 | length 18.6
  Bottom Layer w0.3: 95.5,53.5 TP30.1@95.5,54 95.5,57.207 102.645,64.352 ccw(c100.704,66.295) 103.45,66.295 DD2.11@103.45,68.9
TTa_PC4: DD2.24 TP51.1 | length 13.5
  Bottom Layer w0.3: TP51.1@86.8,71.3 89.75,74.25 DD2.24@99.1,74.25
USART1_RX: DD2.43 R42.2 R52.2 TP21.1 | length 192.8
  Top Layer w0.5: v1(117,115) v1(124.5,107.5)
  Bottom Layer w0.3: DD2.43@105.95,80.1 105.95,83.95 108.75,86.75 115.75,86.75 119.5,90.5 TP21.1@119.5,95 119.5,102.5 v1(124.5,107.5)
  Bottom Layer w0.5: R52.2@52.2,47.5 58,47.5 60,49.5 ; R42.2@56.06,51.977 56.06,49.793 56.353,49.5 60,49.5 ; v1(117,115) 116.822,115 116.322,115.5 109.5,115.5 107,113 64.5,113 62,110.5 62,72 69,65 69,53 65.5,49.5 60,49.5
USART1_TX: DA11.8 DD2.42 TP23.1 | length 152.2
  Top Layer w0.5: v1(111,109) v1(118,102)
  Bottom Layer w0.3: DD2.42@105.45,80.1 105.45,84.45 108.5,87.5 115.5,87.5 117.5,89.5 TP23.1@117.5,95 117.5,101.238 118,101.738 v1(118,102)
  Bottom Layer w0.5: DA11.8@75.5,54.75 75.505,54.755 76.755,54.755 81.5,59.5 81.5,71 65,87.5 65,109 66,110 110,110 v1(111,109)
pads on no net: DA11.11 DD1.6 DD3.3 DD3.6 DD4.4 DD4.6 VD1.3 VD2.1 VD2.3 VD3.1 VD3.3 VD4.1 VD4.3 VD5.1 VD5.3 VD6.1 VD6.3 X17.4

## Polygon pours and split planes (outlines as drawn)
GND on Bottom Layer "GND_L02_P038" (solid, remove dead copper, pour order 38): 0,130 305,130 305,0 0,0
GND on Bottom Layer "GND_L02_P000" (solid, pour order 0): 99,81.5 110.5,81.5 112,80 112,69.5 110.5,68 99,68 97.5,69.5 97.5,80
+5V on Bottom Layer "+5V_L02_P034" (solid, pour order 34): 9.208,85.5 14.4,85.5 14.4,82.6 16.8,82.6 17.4,82 17.4,79.2 17,78.8 10,78.8 9.4,79.4 9.4,80.806 9.006,81.2 8.994,81.2 8.412,81.794 8.472,84.778
+7V on Bottom Layer "+7V_L02_P026" (solid, pour order 26): 32.35,74.725 32.35,60.75 33.925,59.175 37.325,59.175 38.1,58.4 38.1,37.6 36.8,36.3 28.5,36.3 26.4,38.4 26.4,48.1 16.299,48.077 14.55,49.824 14.55,57.75 12.875,59.425 12.875,75.2 14.075,76.4 30.675,76.4
GND on Bottom Layer "GND_L02_P016" (solid, pour order 16): 149.875,26.65 149.875,22.95 cw(c149.425,22.95) 149.425,22.5 146.8,22.5 146.2,21.9 146.2,21.05 146.875,20.375 149.525,20.375 cw(c149.525,20.025) 149.875,20.025 149.875,17.875 cw(c149.625,17.875) 149.625,17.625 148.475,17.625 147.925,17.075 147.925,14.925 148.475,14.375 154.15,14.375 154.675,14.9 154.675,17.175 154.225,17.625 152.718,17.625 cw(c152.718,17.968) 152.375,17.968 152.375,26.725 151.85,27.25 150.475,27.25
GND on Bottom Layer "GND_L02_P015" (solid, pour order 15): 209.775,58.75 209.775,55.05 cw(c209.325,55.05) 209.325,54.6 206.7,54.6 206.1,54 206.1,53.15 206.775,52.475 209.425,52.475 cw(c209.425,52.125) 209.775,52.125 209.775,49.975 cw(c209.525,49.975) 209.525,49.725 208.375,49.725 207.825,49.175 207.825,47.025 208.375,46.475 214.05,46.475 214.575,47 214.575,49.275 214.125,49.725 212.618,49.725 cw(c212.618,50.068) 212.275,50.068 212.275,58.825 211.75,59.35 210.375,59.35
+3.3V on Bottom Layer "+3.3V_L02_P033" (solid, remove dead copper, pour order 33): 12.481,59.408 14.475,57.414 14.475,49.541 16.45,47.441 16.45,43.55 15.725,42.825 15.725,35.975 14.125,34.375 1.4,34.375 0.5,35.275 0.5,47.125 0.5,47.694 0.512,58.013 1.987,59.486 12.292,59.486 cw(c12.292,59.219)
GND on Bottom Layer "GND_L02_P035" (solid, remove dead copper, pour order 35): 100,57.75 100,54.25 101,53.25 119.25,53.25 120.25,54.25 120.25,57.75 119.5,58.5 100.75,58.5
+7V on Bottom Layer "+7V_L02_P002" (solid, pour order 2): 209.65,60.1 209.65,56.1 cw(c208.4,56.1) 208.4,54.85 195.9,54.85 cw(c195.9,56.35) 194.4,56.35 194.4,60.1 cw(c195.65,60.1) 195.65,61.35 208.4,61.35 cw(c208.4,60.1)
NetDA6_5 on Bottom Layer "NETDA6_5_L02_P020" (solid, pour order 20): 212.4,50.05 212.372,53.297 214.779,55.725 216.894,55.725 217.589,55.03 217.589,50.05
+7V on Bottom Layer "+7V_L02_P001" (solid, pour order 1): 272.75,61 272.75,57 cw(c271.5,57) 271.5,55.75 259,55.75 cw(c259,57.25) 257.5,57.25 257.5,61 cw(c258.75,61) 258.75,62.25 271.5,62.25 cw(c271.5,61)
GND on Bottom Layer "GND_L02_P007" (solid, pour order 7): 272.875,59.65 272.875,55.95 cw(c272.425,55.95) 272.425,55.5 269.8,55.5 269.2,54.9 269.2,54.05 269.875,53.375 272.525,53.375 cw(c272.525,53.025) 272.875,53.025 272.875,50.875 cw(c272.625,50.875) 272.625,50.625 271.475,50.625 270.925,50.075 270.925,47.925 271.475,47.375 277.15,47.375 277.675,47.9 277.675,50.175 277.225,50.625 275.718,50.625 cw(c275.718,50.968) 275.375,50.968 275.375,59.725 274.85,60.25 273.475,60.25
NetDA1_5 on Bottom Layer "NETDA1_5_L02_P014" (solid, pour order 14): 275.5,50.95 275.472,54.197 277.879,56.625 279.994,56.625 280.689,55.93 280.689,50.95
GND on Bottom Layer "GND_L02_P027" (solid, pour order 27): 24.9,47.925 18.275,47.925 16.825,46.475 16.825,43.375 15.95,42.5 15.95,40.075 17.05,38.975 19,38.975 25.975,44.95 25.975,46.85
no net on Bottom Layer "NONET_L02_P028" (solid, pour order 28): 11.85,58.225 14.3,55.775
GND on Bottom Layer "GND_L02_P019" (solid, pour order 19): 29.875,26.65 29.875,22.95 cw(c29.425,22.95) 29.425,22.5 26.8,22.5 26.2,21.9 26.2,21.05 26.875,20.375 29.525,20.375 cw(c29.525,20.025) 29.875,20.025 29.875,17.875 cw(c29.625,17.875) 29.625,17.625 28.475,17.625 27.925,17.075 27.925,14.925 28.475,14.375 34.15,14.375 34.675,14.9 34.675,17.175 34.225,17.625 32.718,17.625 cw(c32.718,17.968) 32.375,17.968 32.375,26.725 31.85,27.25 30.475,27.25
GND on Bottom Layer "GND_L02_P017" (solid, pour order 17): 89.875,26.65 89.875,22.95 cw(c89.425,22.95) 89.425,22.5 86.8,22.5 86.2,21.9 86.2,21.05 86.875,20.375 89.525,20.375 cw(c89.525,20.025) 89.875,20.025 89.875,17.875 cw(c89.625,17.875) 89.625,17.625 88.475,17.625 87.925,17.075 87.925,14.925 88.475,14.375 94.15,14.375 94.675,14.9 94.675,17.175 94.225,17.625 92.718,17.625 cw(c92.718,17.968) 92.375,17.968 92.375,26.725 91.85,27.25 90.475,27.25
NetDA12_5 on Bottom Layer "NETDA12_5_L02_P024" (solid, pour order 24): 32.531,17.95 32.503,21.197 34.91,23.625 36.55,23.625 37.025,23.15 37.025,17.95
NetDA10_5 on Bottom Layer "NETDA10_5_L02_P023" (solid, pour order 23): 92.581,17.95 92.553,21.197 94.96,23.625 96.6,23.625 97.075,23.15 97.075,17.95
NetDA9_5 on Bottom Layer "NETDA9_5_L02_P021" (solid, pour order 21): 152.5,17.95 152.472,21.197 154.879,23.625 156.994,23.625 157.689,22.93 157.689,17.95
+7V on Bottom Layer "+7V_L02_P006" (solid, pour order 6): 29.75,28 29.75,24 cw(c28.5,24) 28.5,22.75 16,22.75 cw(c16,24.25) 14.5,24.25 14.5,28 cw(c15.75,28) 15.75,29.25 28.5,29.25 cw(c28.5,28)
+7V on Bottom Layer "+7V_L02_P004" (solid, pour order 4): 89.75,28 89.75,24 cw(c88.5,24) 88.5,22.75 76,22.75 cw(c76,24.25) 74.5,24.25 74.5,28 cw(c75.75,28) 75.75,29.25 88.5,29.25 cw(c88.5,28)
+7V on Bottom Layer "+7V_L02_P003" (solid, pour order 3): 149.75,28 149.75,24 cw(c148.5,24) 148.5,22.75 136,22.75 cw(c136,24.25) 134.5,24.25 134.5,28 cw(c135.75,28) 135.75,29.25 148.5,29.25 cw(c148.5,28)
GND on Top Layer "GND_L01_P036" (solid, remove dead copper, pour order 36): 0,130 305,130 305,0 0,0
+3.3V on Top Layer "+3.3V_L01_P030" (solid, remove dead copper, pour order 30): 101.05,79.05 108.45,79.05 cw(c108.45,78.25) 109.25,78.25 109.25,70.75 cw(c108.45,70.75) 108.45,69.95 101.05,69.95 cw(c101.05,70.85) 100.15,70.85 100.15,78.15 cw(c101.05,78.15)

## Other copper
Top Layer:
  pour cut-out: 263,18.4 ccw(c271,18.4) 271,10.4 ccw(c271,18.4) 279,18.4 ccw(c271,18.4) 271,26.4 ccw(c271,18.4)
  pour cut-out: 236.3,18.4 ccw(c244.3,18.4) 244.3,10.4 ccw(c244.3,18.4) 252.3,18.4 ccw(c244.3,18.4) 244.3,26.4 ccw(c244.3,18.4)
  pour cut-out: 191.3,18.4 ccw(c199.3,18.4) 199.3,10.4 ccw(c199.3,18.4) 207.3,18.4 ccw(c199.3,18.4) 199.3,26.4 ccw(c199.3,18.4)
  pour cut-out: 19,103.3 19,92.4 ccw(c20.9,92.4) 20.9,90.5 37.2,90.5 ccw(c37.2,92.3) 39,92.3 39,103.6 ccw(c37.6,103.6) 37.6,105 20.7,105 ccw(c20.7,103.3)
  pour cut-out: 259,103.3 259,92.4 ccw(c260.9,92.4) 260.9,90.5 277.2,90.5 ccw(c277.2,92.3) 279,92.3 279,103.6 ccw(c277.6,103.6) 277.6,105 260.7,105 ccw(c260.7,103.3)
  pour cut-out: 199,103.3 199,92.4 ccw(c200.9,92.4) 200.9,90.5 217.2,90.5 ccw(c217.2,92.3) 219,92.3 219,103.6 ccw(c217.6,103.6) 217.6,105 200.7,105 ccw(c200.7,103.3)
  pour cut-out: 139,103.3 139,92.4 ccw(c140.9,92.4) 140.9,90.5 157.2,90.5 ccw(c157.2,92.3) 159,92.3 159,103.6 ccw(c157.6,103.6) 157.6,105 140.7,105 ccw(c140.7,103.3)
  pour cut-out: 79,103.3 79,92.4 ccw(c80.9,92.4) 80.9,90.5 97.2,90.5 ccw(c97.2,92.3) 99,92.3 99,103.6 ccw(c97.6,103.6) 97.6,105 80.7,105 ccw(c80.7,103.3)
Bottom Layer:
  pour cut-out: 19,103.3 19,92.4 ccw(c20.9,92.4) 20.9,90.5 37.2,90.5 ccw(c37.2,92.3) 39,92.3 39,103.6 ccw(c37.6,103.6) 37.6,105 20.7,105 ccw(c20.7,103.3)
  pour cut-out: 263,18.4 ccw(c271,18.4) 271,10.4 ccw(c271,18.4) 279,18.4 ccw(c271,18.4) 271,26.4 ccw(c271,18.4)
  pour cut-out: 236.3,18.4 ccw(c244.3,18.4) 244.3,10.4 ccw(c244.3,18.4) 252.3,18.4 ccw(c244.3,18.4) 244.3,26.4 ccw(c244.3,18.4)
  pour cut-out: 191.3,18.4 ccw(c199.3,18.4) 199.3,10.4 ccw(c199.3,18.4) 207.3,18.4 ccw(c199.3,18.4) 199.3,26.4 ccw(c199.3,18.4)
  pour cut-out: 79,103.3 79,92.4 ccw(c80.9,92.4) 80.9,90.5 97.2,90.5 ccw(c97.2,92.3) 99,92.3 99,103.6 ccw(c97.6,103.6) 97.6,105 80.7,105 ccw(c80.7,103.3)
  pour cut-out: 259,103.3 259,92.4 ccw(c260.9,92.4) 260.9,90.5 277.2,90.5 ccw(c277.2,92.3) 279,92.3 279,103.6 ccw(c277.6,103.6) 277.6,105 260.7,105 ccw(c260.7,103.3)
  pour cut-out: 199,103.3 199,92.4 ccw(c200.9,92.4) 200.9,90.5 217.2,90.5 ccw(c217.2,92.3) 219,92.3 219,103.6 ccw(c217.6,103.6) 217.6,105 200.7,105 ccw(c200.7,103.3)
  pour cut-out: 139,103.3 139,92.4 ccw(c140.9,92.4) 140.9,90.5 157.2,90.5 ccw(c157.2,92.3) 159,92.3 159,103.6 ccw(c157.6,103.6) 157.6,105 140.7,105 ccw(c140.7,103.3)

## Silkscreen, mask and mechanical layers (free items; w line width, h text height)
Top Overlay:
  lines w0.254: 197.419,33.101 ccw(c195,33) 197.421,33 ; 212.419,33.101 ccw(c210,33) 212.421,33 ; 242.419,33.101 ccw(c240,33) 242.421,33 ; 261.119,33.101 ccw(c258.7,33) 261.121,33 ; 278.419,32.601 ccw(c276,32.5) 278.421,32.5 ; 286.019,6.501 ccw(c283.6,6.4) 286.021,6.4 ; 6.5,88.2 6.5,91.2 17.3,91.2 17.3,88.2 6.5,88.2 ; 22,108 42,108 42,115 34,115 34,126 22,126 22,124 22,108 ; 66.475,88.175 66.475,91.175 77.275,91.175 77.275,88.175 66.475,88.175 ; 126.475,88.175 126.475,91.175 137.275,91.175 137.275,88.175 126.475,88.175
  text "RX" at 42.254,123.254 h1.52
  text "TX" at 45.254,123.254 h1.52
  text "Prog" at 280.854,122.362 h1.52
  text "to PC" at 53.254,120.254 h1.52
  text "Power" at 24.754,115.754 h1.52
  text "GND" at 276.054,111.354 h1.52
  text "SWDIO" at 285.746,109.354 h1.52 r90
  text "SWCLK" at 288.446,109.254 h1.52 r90
  text "3.3" at 291.146,109.254 h1.52 r90
  text "-" at 38.454,109.192 h1.52
  text "+" at 26.754,109 h1.52
  text "GND" at 44.054,93.954 h1.52
  text "GND" at 155.254,59.254 h1.52
  text "3.3" at 5.454,44.854 h1.52
  text "7V" at 291.254,37.254 h1.52
  text "Сеть" at 291,24.956 h5
  text "GND" at 1.254,20.254 h1.52
  text "Плата №3" at 156,12.056 h5
  text "Плата №5" at 276,12.056 h5
  text "Плата №1" at 36,12.051 h5
  text "Плата №2" at 96,12.051 h5
  text "Плата №4" at 216,12.051 h5
  text "GND" at 272.254,3.254 h1.52
Bottom Overlay:
  text "5V" at 59.246,73.254 h1.52
  text "7V" at 34.246,70.754 h1.52
  text "3.3V" at 6.746,55.254 h1.52
Board:
  the board outline again, w1.2

## Text inside footprints (layer, text, board x,y; h text height)
TP4: Mechanical 8 "1" at 136.2,66.746 h0.64 r270
TP5: Mechanical 8 "1" at 136.2,64.746 h0.64 r270
TP6: Mechanical 8 "1" at 136.2,68.746 h0.64 r270
TP7: Mechanical 8 "1" at 136.2,70.746 h0.64 r270
TP8: Mechanical 8 "1" at 136.2,72.746 h0.64 r270
TP9: Mechanical 8 "1" at 136.2,74.746 h0.64 r270
TP10: Mechanical 8 "1" at 136.2,76.746 h0.64 r270
TP11: Mechanical 8 "1" at 136.2,78.746 h0.64 r270
TP12: Mechanical 8 "1" at 136.2,80.746 h0.64 r270
TP13: Mechanical 8 "1" at 136.2,82.746 h0.64 r270
TP14: Mechanical 8 "1" at 136.2,84.746 h0.64 r270
TP17: Mechanical 8 "1" at 125.7,83.746 h0.64 r270
TP18: Mechanical 8 "1" at 125.2,94.746 h0.64 r270
TP19: Mechanical 8 "1" at 123.2,94.746 h0.64 r270
TP20: Mechanical 8 "1" at 121.2,94.746 h0.64 r270
TP21: Mechanical 8 "1" at 119.2,94.746 h0.64 r270
TP22: Mechanical 8 "1" at 99.7,50.746 h0.64 r270
TP23: Mechanical 8 "1" at 117.2,94.746 h0.64 r270
TP24: Mechanical 8 "1" at 95.2,47.746 h0.64 r270
TP25: Mechanical 8 "1" at 115.2,94.746 h0.64 r270
TP26: Mechanical 8 "1" at 95.2,49.746 h0.64 r270
TP27: Mechanical 8 "1" at 109.2,94.746 h0.64 r270
TP28: Mechanical 8 "1" at 95.2,51.746 h0.64 r270
TP29: Mechanical 8 "1" at 107.2,94.746 h0.64 r270
TP30: Mechanical 8 "1" at 95.2,53.746 h0.64 r270
TP32: Mechanical 8 "1" at 105.2,94.746 h0.64 r270
TP33: Mechanical 8 "1" at 103.2,94.746 h0.64 r270
TP34: Mechanical 8 "1" at 101.2,94.746 h0.64 r270
TP35: Mechanical 8 "1" at 92.95,55.246 h0.64 r270
TP36: Mechanical 8 "1" at 92.7,88.746 h0.64 r270
TP38: Mechanical 8 "1" at 90.95,55.246 h0.64 r270
TP39: Mechanical 8 "1" at 92.7,86.746 h0.64 r270
TP40: Mechanical 8 "1" at 88.95,55.246 h0.64 r270
TP41: Mechanical 8 "1" at 92.7,84.746 h0.64 r270
TP45: Mechanical 8 "1" at 86.7,81.246 h0.64 r270
TP46: Mechanical 8 "1" at 86.7,83.246 h0.64 r270
TP47: Mechanical 8 "1" at 86.7,63.246 h0.64 r270
TP49: Mechanical 8 "1" at 86.7,67.246 h0.64 r270
TP51: Mechanical 8 "1" at 86.7,71.246 h0.64 r270
TP55: Mechanical 8 "1" at 86.7,79.246 h0.64 r270
TP59: Mechanical 8 "1" at 86.7,73.246 h0.64 r270
TP60: Mechanical 8 "1" at 86.7,75.246 h0.64 r270
TP61: Mechanical 8 "1" at 86.7,77.246 h0.64 r270
TP62: Mechanical 8 "1" at 86.7,65.496 h0.64 r270
TP63: Mechanical 8 "1" at 86.7,69.246 h0.64 r270
TP64: Mechanical 8 "1" at 136.2,60.746 h0.64 r270
TP65: Mechanical 8 "1" at 136.2,62.746 h0.64 r270
TP66: Mechanical 8 "1" at 136.2,58.746 h0.64 r270